# KiCad board CPU.kicad_pcb (continued)
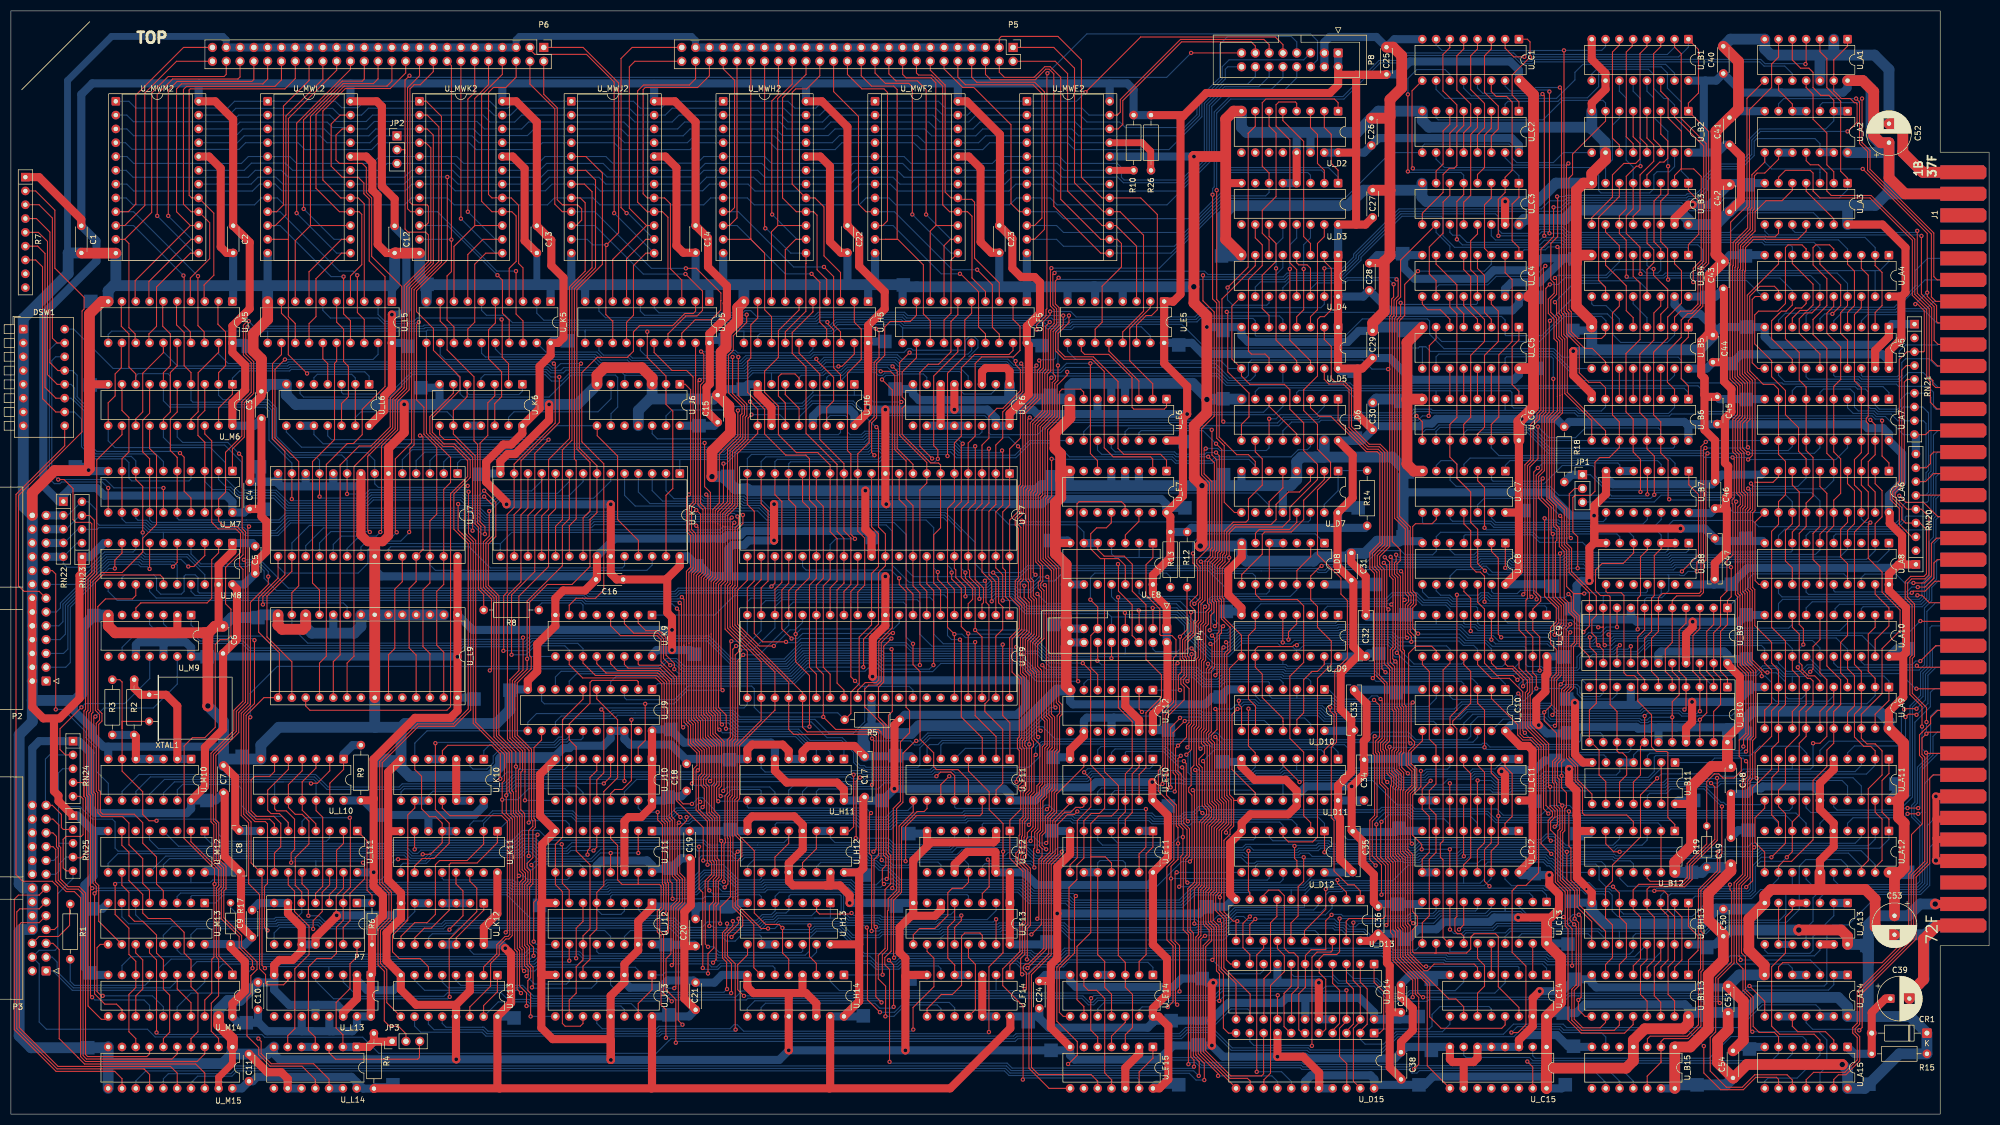
[diagram p0: board, top side]
## Routing (per net, layer and track width the routed paths; a pad name or vN(x,y) marks a point on that pad's centre or on a via; arc(x,y) is an arc through that point) (continued)
/AFL.CARRY: length 158.6
  Top w0.2: U_H6.5 145.03,135.44 144.28,136.19 141.74,136.19 141.23,135.69 141.23,132.13 142.5,130.86 142.5,126.8 ; v1(130.96,78) 130.66,78.3 130.66,97.25 131.43,98.02 131.43,108.04 131.43,108.04 131.43,110.32 133.23,112.12 133.23,121.72 135.64,124.14 135.64,128.08 v1(136.27,128.71) ; U_J10.2 115.43,67.47 116.72,68.76 v1(116.72,75.5)
  Bottom w0.2: U_J9.9 97.65,76.01 98.17,75.5 v1(116.72,75.5) 122.01,75.5 124.51,78 v1(130.96,78) ; 176.15,134.28 176.15,135.81 174.87,137.1 163.07,137.1 162.8,136.83 161.91,136.83 161.31,137.43 153.9,137.43 152.84,136.37 149.95,136.37 149.52,135.94 145.42,135.94 145.03,135.56 U_H6.5 ; v1(136.27,128.71) 136.28,128.7 141.48,128.7 142.5,127.69 142.5,126.8
/AFL.HALFC: length 63.4
  Top w0.2: U_J9.12 97.65,68.85 96.25,67.45 96.25,54.4 96.49,54.16 96.49,53.96 96.5,53.95 96.5,52.75 96.05,52.29 96.05,47.19 94.98,46.13 94.98,45.33 95.59,44.73 95.59,42.68 94.99,42.08 94.99,31.25 95.42,30.82 95.42,27.7 96.09,27.03 96.09,23.53 v1(95.88,23.32)
  Bottom w0.2: v1(95.88,23.32) 96.02,23.18 106.82,23.18 107.81,24.17 U_J13.5
/AFL.LZERO: length 26.7
  Bottom w0.2: 105.27,70.53 105.27,69.25 104.91,68.88 102.75,68.88 102.33,68.47 101.21,68.47 100.23,67.49 90.34,67.49 88.75,65.9 88.75,64.65 87.58,63.48 85.03,63.48 84.48,64.03 84.48,65.3
/AFL.OVER: length 69.6
  Top w0.2: 105.27,78.15 105.27,76.36 101.51,72.61 101.51,50.96 100.19,49.64 U_J11.9 100.19,42.23 101.48,40.94 101.48,16.69 101.98,16.18 104.78,16.18 105.27,16.67 105.27,17.99
/AFL.SIGN: length 65.1
  Top w0.2: U_J9.5 107.81,76.39 111.64,72.57 111.64,61.9 109.1,59.36 109.1,42.09 107.81,40.8 U_J12.5 107.81,34.07 106.56,32.82 106.56,28.5 105.27,27.21 105.27,25.6
  Bottom w0.2: U_J12.5 107.81,37.66 108.72,36.75 112.27,36.75 112.89,37.37 U_J12.3
/AFL.ZERO: length 96.1
  Top w0.2: U_J13.10 102.73,20.99 104.02,22.28 104.02,27.1 105.27,28.36 105.27,32.8 106.56,34.09 106.56,45.9 104.02,48.44 104.02,67.62 102.73,68.9 U_J9.14 102.73,71.79 106.56,75.62 106.56,79.43 106.94,79.81 115.19,79.81 115.45,79.55 115.43,79.54 U_J9.2
  Bottom w0.2: 102.75,70.51 102.75,69.52 102.14,68.92 101.02,68.92 100.04,67.94 88.09,67.94 87.02,66.88 U_K10.1
/ALU.CARRY: length 141.7
  Top w0.2: v1(167.26,82.63) 167.26,95.94 165.99,97.21 U_F7.33 165.99,111.94 164.72,113.21 164.72,120.19 162.64,122.27 162.64,135.92 161.88,136.67 v1(160.05,136.67)
  Bottom w0.2: v1(160.05,136.67) 159.75,136.97 154.08,136.97 153.03,135.92 150.48,135.92 150.11,135.56 U_H6.3 ; v1(167.26,82.63) 160.3,82.63 159.47,83.45 146.48,83.45 143.61,80.57 121.54,80.57 120.63,81.48 101.25,81.48 100.19,80.43 U_J9.8
/ALU.CARRY_IN: length 73.4
  Top w0.2: v1(160.28,135.16) 162.18,133.27 162.18,89.48 159.7,87 159.7,79.89 159.22,79.41 157.21,79.41 155.83,78.02 U_F9.29
  Bottom w0.2: v1(160.28,135.16) 160.28,135.2 161,135.92 163.18,135.92 163.45,136.19 167.9,136.19 168.53,135.56 U_F6.7
/ALU.HALFC: length 104.9
  Top w0.2: U_F7.29 155.83,97.46 154.56,96.19 154.56,80.48 v1(155.33,79.7)
  Bottom w0.2: v1(155.33,79.7) 156.32,78.71 157.36,78.71 ; 157.1,78.71 157.1,72.18 155,70.08 150.49,70.08 147.95,72.63 133.95,72.63 132.75,73.84 114.86,73.84 110.83,73.84 110.25,73.25 101.27,73.25 100.19,72.17 U_J9.13 ; U_F9.33 165.99,78.03 165.3,78.72 157.2,78.72
/ALU.OVER: length 92
  Top w0.2: v1(169.75,82.63) 169.8,82.68 169.8,96.32 168.53,97.59 U_F7.34
  Bottom w0.2: v1(169.75,82.63) 169,81.87 160.41,81.87 159.28,83 146.67,83 143.79,80.12 121.35,80.12 120.44,81.03 104.09,81.03 102.73,79.66 U_J9.7
/ALU.SHIFT_Q0: length 119.2
  Top w0.2: v1(108.64,74.46) 109.1,74 109.1,62.79 107.81,61.5 U_J10.12 ; v1(136.02,131.11) 137.42,129.71 137.42,125.27 133.68,121.54 133.68,111.93 131.89,110.14 131.89,107.81 131.89,107.8 131.89,97.84 131.42,97.37 131.42,89.23 135.51,85.15 U_F9.21
  Bottom w0.2: v1(136.02,131.11) 136.32,130.81 145.6,130.81 147.57,132.78 U_H6.4 ; U_F9.21 135.51,75.36 134.89,74.74 108.93,74.74 v1(108.64,74.46)
/ALU.SHIFT_RAM0_Q7: length 121.4
  Top w0.2: v1(114.18,72.57) 114.18,61.39 112.53,59.74 111.13,59.74 110.35,58.96 U_J10.13 ; v1(146.95,71.3) 146.94,71.3 146.94,80.7 144.4,83.24 v1(144.4,88.32) 144.4,96.19 146.94,98.73 146.94,111.43 145.67,112.7 U_F7.16
  Bottom w0.2: v1(114.18,72.57) 114.5,72.9 132.41,72.9 134.02,71.28 146.93,71.28 v1(146.95,71.3) ; U_F9.9 163.45,90.34 162.39,89.28 145.37,89.28 v1(144.4,88.32)
/ALU.SHIFT_RAM7: length 154.3
  Top w0.2: v1(128.66,61.26) 128.96,61.56 128.96,67.6 127.35,69.21 127.35,72.48 126.57,73.26 126.57,87.41 126.57,87.41 126.57,98.94 127.35,99.72 127.35,111.21 126.44,112.12 126.44,134.78 v1(126.74,135.08) ; v1(162.22,137.58) 163.09,136.71 163.09,122.46 165.99,119.56 U_F7.8
  Bottom w0.2: v1(128.66,61.26) 128.33,61.59 115.14,61.59 112.89,59.34 U_J10.14 ; v1(126.74,135.08) 127.04,135.38 135.54,135.38 136.55,136.39 149.33,136.39 149.76,136.83 152.65,136.83 153.71,137.88 161.92,137.88 v1(162.22,137.58) ; 139.95,136.32 U_H6.7
/ALU.SIGN: length 123.5
  Top w0.2: v1(156.85,82.24) 156.9,82.3 156.9,87.4 159.64,90.14 159.64,99.62 160.91,100.88 160.91,106.76 159.64,108.03 159.64,126.03 v1(159.26,126.42) ; U_H6.12 145.03,129.85 142.5,132.38 142.5,132.51 142.49,132.51 U_H6.6
  Bottom w0.2: v1(159.26,126.42) 159.13,126.42 154.79,130.76 147.53,130.76 145.04,128.27 145.04,126.8 ; v1(156.85,82.24) 146.56,82.24 143.98,79.67 121.16,79.67 120.25,80.57 111.39,80.57 110.35,79.54 U_J9.4
/ALU.ZERO: length 96.2
  Top w0.2: U_F7.11 158.37,108.07 159.64,106.79 159.64,100.76 158.37,99.49 U_F9.11 158.37,90.04 156.09,87.76 156.09,79.17 154.56,77.65 154.56,73.71 R5.2
  Bottom w0.2: U_J9.3 112.89,76.65 113.29,76.25 122.12,76.25 124.63,78.76 136.31,78.76 136.78,78.28 136.78,74.85 137.8,73.84 152.15,73.84 R5.2
/BeginRead: length 146.4
  Top w0.2: v1(186.16,60.12) 186.46,60.42 186.46,67.28 186.11,67.63 186.11,68.69 186.46,69.04 186.46,80.37 185.75,81.08 185.75,87.68 186.91,88.84 186.91,93.96 185.71,95.16 185.71,97.75 186.3,98.34 186.3,108.9 v1(186,109.19)
  Bottom w0.2: v1(186.16,60.12) 184.91,60.12 184.06,60.97 160.75,60.97 159.6,59.83 148.68,59.83 148.21,59.35 U_H11.14 ; v1(186,109.19) 186.22,108.98 238.72,108.98 239.13,109.38 U_D7.14
/BeginWrite: length 133.2
  Top w0.2: v1(158.45,69.13) 158.75,68.83 158.75,60.88 v1(158.45,60.58)
  Bottom w0.2: v1(158.45,60.58) 158.15,60.28 146.6,60.28 145.67,59.35 U_H11.13 ; v1(158.45,69.13) 158.91,68.67 165.54,68.67 166.28,67.93 167.16,67.93 168.89,69.66 186.73,69.66 191.12,74.05 206.98,74.05 207.79,73.24 209.49,73.24 210.04,73.79 218.78,73.79 219.22,73.34 240.53,73.34 241.6,72.28 261.79,72.28 262.26,71.8 U_C10.9
/BUS_FORCE_READY: length 154.3
  Top w0.2: U_E15.5 199.98,14.2 198.7,15.48 198.7,21.27 v1(198.76,21.32)
  Bottom w0.2: v1(198.76,21.32) 199.26,21.82 221.42,21.82 222.68,23.08 241.47,23.08 241.94,23.55 250.84,23.55 253.62,20.76 260.62,20.76 260.92,21.06 286.11,21.06 286.81,21.77 288.42,21.77 288.42,21.76 310.66,21.76 311.21,21.21 317.96,21.21 319.57,22.82 334.43,22.82 335.42,23.81 335.42,25.6
  Bottom w1.5: U_A14.1 335.42,25.6
/BUS_TIMEOUT: length 240.7
  Top w0.2: U_A15.6 325.25,14.26 324.48,15.04 321.69,15.04 320.58,16.15 320.58,21.55 319.16,22.97 319.16,28.94 318.44,29.66 318.44,42 320.01,43.58 320.01,61.24 320.48,61.71 320.48,68.73 321.06,69.31 321.06,81.7 319.52,83.24 319.52,95.95 319.13,96.34 319.13,111.17 319.57,111.61 319.57,114.14 318.91,114.8 318.91,121.7 318.19,122.42 318.19,127.3 319.06,128.17 319.06,134.46 317.68,135.84 317.68,155.61 317.81,155.73 317.81,160.01 320.48,162.69 320.48,166.23 320.81,166.56 320.81,172.64 321.31,173.15 322.71,173.15 325.25,175.7 325.25,176.93
  Bottom w0.2: U_A15.6 325.25,11.1 323.98,9.83 280.04,9.83 279.44,10.43 267.75,10.43 267.32,10.86 U_C15.7
  Bottom w1.5: 327.8,176.93 325.25,176.93
/BusCycleEnd: length 116.8
  Top w0.2: 201.24,102.21 201.23,102.2 201.23,63 203.79,60.45 203.79,56.11 202.54,54.86 200.1,54.86 198.7,53.46 198.7,51.03 198.7,51.03 198.7,47.35 ; 201.24,102.21 200.48,102.21 198.69,104 198.69,106.79 199.77,107.87 201.55,107.87 202.48,108.8 U_E7.12 ; 201.24,102.21 203.78,102.21 205.06,100.94 U_E8.12 ; 198.7,47.35 198.7,33.4 196.16,30.86 196.16,21.06 197.44,19.79 U_E14.9 ; 198.7,47.35 201.37,47.35 202.52,46.2 U_E11.11
/CCR.CARRY: length 174.7
  Top w0.2: 22.98,25.07 22.98,23.29 21.72,22.02 21.72,15.16 22.98,13.9 22.98,12.63 ; 73.03,42.72 73.03,35.71 72.89,35.57 72.89,35.56 70.22,32.9 70.22,29.86 71.45,28.63 75.31,28.63 76.82,27.12 U_K13.6 ; 73.03,42.72 73.03,55.04 74.32,56.34 U_K10.9 ; 73.03,42.72 73.03,46.91 v1(71.25,46.91) ; U_J10.4 110.35,62.09 v1(109.1,60.84) ; U_M14.8 22.98,28.12 21.72,29.39 21.72,34.21 19.18,36.75 v1(19.18,42.34)
  Bottom w0.2: v1(71.25,46.91) 70.79,46.91 69.34,45.46 69.34,44.37 68.07,43.1 37.16,43.1 36.66,42.6 33.15,42.6 ; v1(19.18,42.34) 19.43,42.6 33.15,42.6 ; 33.15,42.6 33.12,42.62 U_M12.15 ; U_K10.10 76.86,58.62 77.65,59.41 91.41,59.41 92.84,60.84 v1(109.1,60.84)
  Bottom w1.5: U_K10.9 U_K10.10
/CCR.OVER: length 152.6
  Top w0.2: U_J11.2 115.43,48.06 v1(115.45,48.05) ; v1(96.17,29.13) 96.17,30.71 95.44,31.43 95.44,41.78 96.05,42.38 96.05,45.56 v1(95.77,45.84) ; 110.35,48.03 U_J11.13 ; U_M12.10 20.42,42.11 21.72,40.82 21.72,36.5 22.74,35.48 24.26,35.48 26.8,32.94 26.8,29.64 28.06,28.38 U_M14.6 28.06,23.04 29.22,21.89 29.22,15.05 28.06,13.9 28.06,12.88
  Bottom w0.2: v1(95.77,45.84) 96.43,46.5 106.91,46.5 108.47,48.06 110.35,48.06 ; 110.35,48.06 110.36,48.06 v1(110.37,48.05) ; 110.35,48.06 115.44,48.06 v1(115.45,48.05) ; U_M14.6 28.06,27.1 29.49,28.52 95.56,28.52 v1(96.17,29.13)
/CCR.SIGN: length 131.8
  Top w0.2: U_M12.7 20.42,49.48 21.72,48.18 21.72,42.98 24.26,40.44 24.26,37.01 25.28,35.99 29.34,35.99 31.88,33.45 31.88,29.64 33.15,28.38 U_M14.4 33.15,23.46 34.42,22.18 34.42,15.16 33.15,13.89 33.15,12.88 ; v1(104.02,28.69) 104.02,34.21 105.27,35.47 105.27,38.85
  Bottom w0.2: U_M14.4 33.15,26.97 34.24,28.06 96.17,28.06 97.09,28.99 103.72,28.99 v1(104.02,28.69)
/CCR.ZERO: length 111.3
  Top w0.2: U_J12.10 102.73,28.25 v1(102.75,28.23) ; 38.23,25.61 38.23,28.5 37.82,28.9 37.82,41.62 38.23,42.03 38.23,45.02 33.12,50.12 U_M12.2 ; 38.23,13.14 38.23,13.9 36.87,15.25 36.87,20.41 38.23,21.76 38.23,25.07
  Bottom w0.2: v1(102.75,28.23) 102.49,27.98 96.73,27.98 96.36,27.61 38.99,27.61 38.23,26.84 U_M14.2
/CondCycle: length 103
  Top w0.2: v1(127.39,46.66) 127.38,46.67 127.38,52.76 122.49,57.65 122.49,80.39 119.64,83.24 119.64,87.29 118.88,88.04 112.16,88.04 110.35,89.85 U_K9.4
  Bottom w0.2: 171.12,44.47 171.12,45.85 170.6,46.37 166.34,46.37 165.3,45.33 162.14,45.33 161.7,45.77 160.15,45.77 159.28,46.64 157.89,46.64 157.29,47.24 135.02,47.24 134.42,46.64 128.93,46.64 128.92,46.64 127.41,46.64 v1(127.39,46.66)
/CondDMARequest: length 117.2
  Top w0.2: v1(121.61,27.42) 121.91,27.72 121.91,38.06 123.05,39.21 123.05,43.11 122.16,44 122.16,54.2 121.58,54.79 121.58,79.9 119.41,82.08 113.56,82.08 112.89,82.74 U_K9.14
  Bottom w0.2: v1(121.61,27.42) 121.84,27.65 128.36,27.65 128.91,27.1 129.9,27.1 130.55,27.75 158.11,27.75 159.19,26.66 163.38,26.66 163.98,27.26 170.66,27.26 171.12,26.8 171.12,25.6
/CondMemFault: length 259.8
  Top w0.2: v1(122.35,13.14) 122.35,21.1 120.54,22.91 120.54,28.59 121.45,29.5 121.45,38.25 122.55,39.35 122.55,42.97 121.71,43.81 121.71,54.02 121.13,54.6 121.13,79.72 119.22,81.62 111.6,81.62 110.35,82.87 U_K9.13
  Bottom w0.2: U_B15.6 293.46,14.19 292.64,15.01 285.56,15.01 284.92,15.65 277.95,15.65 276.55,14.26 255.25,14.26 252.35,11.35 238.9,11.35 238.52,11.74 224.55,11.74 221.27,15.02 216.52,15.02 215.4,13.89 185.31,13.89 184.8,13.39 122.6,13.39 v1(122.35,13.14)
/CondMultiINT: length 73.9
  Top w0.2: U_K9.12 107.81,82.87 109.51,81.17 119.03,81.17 120.67,79.53 120.67,54.41 121.25,53.83 121.25,42.91 121.67,42.5 121.67,39.7 v1(121.75,39.62)
  Bottom w0.2: U_H13.6 138.09,40.02 137.74,40.37 133.94,40.37 133.6,40.04 127.73,40.04 127.31,39.62 v1(121.75,39.62)
/CondRegOrPageOut: length 222.4
  Top w0.2: U_D12.1 241.71,48.21 v1(241.68,48.18) ; v1(123.19,54.66) 122.03,55.82 122.03,80.2 119.64,82.6 115.65,82.6 115.43,82.82 U_K9.15
  Bottom w0.2: v1(241.68,48.18) 241.99,47.88 256.68,47.88 256.91,47.65 258.66,47.65 258.99,47.97 266.16,47.97 266.84,48.66 283.73,48.66 284.64,47.75 284.64,47.58 285.61,46.61 287.17,46.61 287.47,46.91 294.67,46.91 294.96,46.61 297.98,46.61 298.54,46.05 U_B12.11 ; U_D12.1 241.71,53.49 240.56,54.64 216.25,54.64 215.49,53.88 210.15,53.88 209.55,54.48 197.2,54.48 195.72,54.48 195.3,54.9 175.78,54.9 175.4,54.51 162.78,54.51 161.55,53.28 156.84,53.28 155.61,54.51 125.26,54.51 124.65,53.9 124.02,53.9 123.26,54.66 v1(123.19,54.66)
/CondRIR_{0NOR4}: length 133.8
  Top w0.2: v1(121.33,82.61) 120.09,83.85 120.09,87.47 119.07,88.5 114.63,88.5 112.89,90.24 U_K9.3
  Bottom w0.2: U_D10.4 234.09,79.4 233.49,80 223.22,80 222.31,79.1 219.46,79.1 217.7,80.86 188.82,80.86 185.85,83.83 160.44,83.83 159.91,84.36 146.11,84.36 143.23,81.48 123.55,81.48 122.41,82.62 121.34,82.62 v1(121.33,82.61)
/CondRIR_{0}: length 218.8
  Top w0.2: v1(250.83,76.21) 251.84,75.19 251.84,69.37 251.11,68.64 251.11,66.51 251.38,66.25 251.38,54.78 250.5,53.9 250.5,47.53 252.19,45.84 v1(252.19,40.37) ; U_K9.2 115.43,90.36 116.84,88.95 119.26,88.95 120.54,87.66 120.54,84.47 122.09,82.92 122.09,81.88 v1(122.08,81.87)
  Bottom w0.2: 236.59,76.52 232.05,76.52 231.55,77.01 U_D10.5 231.55,79.4 231.4,79.55 223.41,79.55 222.5,78.64 219.27,78.64 217.51,80.4 188.64,80.4 185.66,83.38 160.19,83.38 159.66,83.91 146.3,83.91 143.42,81.03 122.92,81.03 v1(122.08,81.87) ; 236.59,76.52 236.63,76.55 U_D10.3 ; 236.59,76.52 243.42,76.52 244.03,75.91 250.53,75.91 v1(250.83,76.21) ; v1(252.19,40.37) 252.49,40.67 279.42,40.67 280.02,40.07 280.02,38.85
/CPL_Disable: length 175.4
  Top w0.2: v1(216.49,79.65) 216.79,79.95 216.79,84.03 216.5,84.32 216.5,86.88 218.02,88.41 218.02,90.41 218.52,90.9 218.52,94 219.26,94.75 219.26,101.36 v1(218.97,101.66)
  Bottom w0.2: v1(216.49,79.65) 216.19,79.95 198.14,79.95 197.44,79.25 U_E12.6 ; 345.56,105.07 345.56,103.68 343.5,101.61 315.69,101.61 315.14,101.07 306.19,101.07 305.72,100.6 289.94,100.6 289.34,101.2 286.72,101.2 286.12,100.6 275.93,100.6 275.26,101.27 270.76,101.27 270.14,100.65 242.34,100.65 241.8,100.11 240.73,100.11 240.44,100.4 229.87,100.4 229.87,100.4 221.87,100.4 220.61,101.66 v1(218.97,101.66)
/CPL_{0}: length 226
  Top w0.2: 343.02,105.07 343.02,108.63 344.3,109.91 344.3,114.73 343.02,116.01 343.02,118.53 ; U_C14.13 274.94,16.42 274.32,15.8 263.15,15.8 261.06,17.88 261.06,24.09 256.12,29.02 256.12,34.05 255.67,34.51 255.67,46.86 254.76,47.76 254.76,60.04 254.92,60.2 254.92,62.25 254.1,63.06 254.1,66.93 254.46,67.29 254.46,74.12 254.15,74.44 254.15,82.07 253.36,82.86 253.36,92.76 v1(253.47,92.87) 253.17,93.17 253.17,100.88 v1(252.62,101.42)
  Bottom w0.2: v1(252.62,101.42) 252.94,101.11 269.96,101.11 270.57,101.72 275.45,101.72 276.12,101.05 285.93,101.05 286.53,101.65 289.53,101.65 290.12,101.05 305.53,101.05 306,101.52 314.96,101.52 315.5,102.07 341.41,102.07 343.02,103.68 343.02,105.07 ; U_D9.2 241.67,92.87 242.25,93.45 252.89,93.45 v1(253.47,92.87)
/CPL_{1}: length 244.5
  Top w0.2: 337.94,105.07 337.94,107.36 339.22,108.64 339.22,114.73 337.94,116.01 337.94,118.53 ; U_C14.10 267.32,19.75 265.89,21.19 264.6,21.19 256.58,29.21 256.58,34.24 256.12,34.7 256.12,47.04 255.22,47.95 255.22,59.85 255.37,60.01 255.37,62.44 254.56,63.25 254.56,66.74 254.92,67.1 254.92,74.31 254.6,74.62 254.6,82.39 253.81,83.18 253.81,85.46 254.31,85.96 254.31,93.48 v1(254.01,93.78) 254.31,94.08 254.31,98.39 253.68,99.02 253.68,101.58 v1(252.79,102.46) ; U_D9.7 228.97,89.35 228.98,89.33 227.71,88.06 227.71,76.38 229.01,75.08 U_D10.9
  Bottom w0.2: 337.94,105.07 337.94,103.93 336.53,102.52 315.31,102.52 314.77,101.98 305.81,101.98 305.34,101.51 290.31,101.51 289.71,102.11 286.34,102.11 285.74,101.51 276.31,101.51 275.64,102.18 270.38,102.18 269.77,101.56 253.69,101.56 v1(252.79,102.46) ; v1(254.01,93.78) 253.88,93.9 230,93.9 228.97,92.87 U_D9.7
/CPL_{2}: length 219.2
  Top w0.2: U_C14.6 269.86,26.99 269.24,27.61 261.88,27.61 261.15,26.89 261.15,26.86 260.69,26.4 260.03,26.4 257.03,29.4 257.03,34.43 256.58,34.88 256.58,47.23 255.67,48.14 255.67,59.67 255.82,59.82 255.82,62.62 255.01,63.44 255.01,66.55 255.37,66.91 255.37,74.5 255.05,74.81 255.05,83 v1(254.75,83.3) 254.26,83.79 254.26,85.28 254.76,85.77 254.76,98.58 254.13,99.21 254.13,102.29 v1(253.89,102.53) ; U_D10.12 236.63,72.59 237.87,73.84 237.87,79.93 239.4,81.46 240.41,81.46 241.67,82.71 U_D9.15 ; 332.87,105.07 332.87,106.72 334.14,107.99 334.14,114.22 332.87,115.5 332.87,118.53
  Bottom w0.2: U_D9.15 241.67,83 241.79,82.87 252.14,82.87 252.23,82.97 254.42,82.97 v1(254.75,83.3) ; v1(253.89,102.53) 254.4,102.02 269.58,102.02 270.2,102.63 275.83,102.63 276.5,101.96 285.56,101.96 286.16,102.56 289.9,102.56 290.5,101.96 305.16,101.96 305.62,102.43 314.58,102.43 315.12,102.97 332.04,102.97 332.87,103.81 332.87,105.07
/CPL_{3}: length 233.1
  Top w0.2: U_D10.11 234.09,72.29 234.06,72.31 234.06,72.82 230.25,76.63 230.25,80.95 228.97,82.24 U_D9.10 228.97,85.51 229.49,86.03 235.84,86.03 236.1,86.29 v1(236.62,86.29) ; 327.79,118.53 327.79,115.75 329.06,114.48 329.06,108.38 327.79,107.11 327.79,105.07 ; v1(254.89,102.92) 254.89,101.73 254.58,101.42 254.58,99.4 255.22,98.77 255.22,85.08 v1(255.02,84.88) 255.51,84.39 255.51,75 255.82,74.68 255.82,66.73 255.46,66.37 255.46,63.63 256.28,62.81 256.28,59.63 256.12,59.48 256.12,48.33 257.03,47.42 257.03,35.07 257.49,34.62 257.49,29.59 259.9,27.18 v1(260.4,27.18)
  Bottom w0.2: v1(255.02,84.88) 255.02,85.34 253.46,86.9 245.42,86.9 245.23,86.72 237.05,86.72 v1(236.62,86.29) ; v1(260.4,27.18) 260.4,27.17 277.3,27.17 277.48,26.99 U_C14.3 ; 327.79,105.07 327.79,103.68 327.54,103.43 314.93,103.43 314.39,102.89 305.44,102.89 304.97,102.42 290.69,102.42 290.09,103.02 285.97,103.02 285.37,102.42 276.68,102.42 276.01,103.09 270.01,103.09 269.39,102.47 255.34,102.47 v1(254.89,102.92)
/DataRDCycle: length 212.7
  Top w0.2: v1(284.51,168.83) 284.51,168.48 284.61,168.38 284.61,161.47 283.36,160.21 283.36,153.54 283.96,152.94 283.96,151.04 282.88,149.97 282.88,147.34 283.94,146.29 283.94,142.67 284.56,142.05 284.56,132.03 284.57,132.02 284.57,129.38 283.08,127.89 283.08,113.31 284.32,112.06 284.32,108.42 284.92,107.82 284.92,105.42 284.91,105.42 284.91,104.44 285.81,103.54 285.81,94.9 286.64,94.07 286.64,92.37 287.68,91.33 287.68,86.81 287.08,86.21 287.08,78.58 286.23,77.73 286.23,65.55 287.84,63.94 287.84,61.33 289.18,59.99 289.18,55.39 289.53,55.04 297.31,55.04 298.54,53.81 U_B12.4 ; 327.79,197.78 327.79,193.98 329.31,192.46 330.84,192.46 331.6,191.69 331.6,188.9 333.05,187.45 334.52,187.45 335.42,186.56 335.42,184.55
  Bottom w0.2: v1(284.51,168.83) 285.91,168.83 286.12,169.05 308.15,169.05 308.44,169.34 310.11,169.34 311.29,170.52 311.29,172.18 313.94,174.82 317.93,174.82 319.87,176.76 319.87,179.4 321.74,181.28 333.94,181.28 335.42,182.76 335.42,184.08
  Bottom w1.5: 335.42,184.55 U_A2.1
/DataWTClock: length 352.6
  Top w0.2: 343.02,57.18 343.02,55.56 344.3,54.28 344.3,46.66 343.02,45.38 343.02,43.76 ; U_E15.10 199.98,6.07 198.76,7.29 189.11,7.29 187.78,8.62 187.78,25.66 191.42,29.31 191.42,45.92 193.37,47.87 v1(193.37,48.29) ; v1(74.3,48.72) 74.28,48.74 U_K11.7
  Bottom w0.2: U_A12.19 343.02,45.9 340.45,48.48 321.99,48.48 321.39,47.88 314.75,47.88 314.39,47.51 295.34,47.51 295.04,47.81 286.91,47.81 286.61,47.51 285.99,47.51 285.54,47.96 285.54,48.13 284.11,49.56 259.29,49.56 258.29,48.55 257.29,48.55 257.06,48.78 242.79,48.78 242.18,49.39 240.73,49.39 240.27,48.93 236.95,48.93 236.61,48.59 228.63,48.59 228.03,49.19 227.4,49.19 226.8,48.59 193.67,48.59 v1(193.37,48.29) 192.57,47.5 188.74,47.5 187.17,49.06 174.06,49.06 173.2,48.2 162.06,48.2 161.21,49.05 137.2,49.05 137.2,49.05 128.29,49.05 127.39,49.95 103.2,49.95 102.15,48.9 97.75,48.9 96.4,50.25 94.15,50.25 92.92,49.02 74.6,49.02 v1(74.3,48.72)
/DMA.Write: length 294.3
  Top w0.2: U_D8.9 229.01,95.66 230,94.67 236.73,94.67 237.87,93.52 237.87,83.11 235.33,80.57 235.33,69.14 237.87,66.6 237.87,54.91 239.17,53.62 U_D12.2
  Bottom w0.2: U_D8.9 229.01,98.96 228.48,99.49 221.5,99.49 220.54,100.45 187.27,100.45 185.71,98.89 166.03,98.89 164.72,100.2 164.72,106.65 162.51,108.87 134.39,108.87 133.58,108.05 131,108.05 130.45,107.5 107.07,107.5 107.05,107.49 86.53,107.49 85.69,108.33 85.69,108.33 85.23,108.78 51.48,108.78 49.17,106.47 43.13,106.47 42.54,107.06 28.02,107.06 ; 28.02,107.06 28.06,107.01 U_M8.6 ; 28.02,107.06 25.29,107.06 24.43,107.91 16.17,107.91 15.86,107.6 12.3,107.6 9.91,105.21
  Bottom w1.5: P2.21 9.65,105.09
/DMA.~{AddressControl}: length 31.4
  Top w0.2: U_M8.9 20.45,103.25 19.13,101.94 v1(19.13,100.41)
  Bottom w0.2: v1(19.13,100.41) 18.06,100.41 10.94,93.28 10.94,83.07 10.1,82.23 P2.3
/DMA.~{BusReadReady}: length 34.8
  Bottom w0.2: U_M8.18 35.69,99.24 32.39,102.54 24.63,102.54 24.2,102.97 17.42,102.97 11.92,97.47 P2.15
/DMA.~{BusWriteOE}: length 48.5
  Top w0.2: P2.17 7.61,100.01 8.26,99.36 v1(8.26,74.47)
  Bottom w0.2: U_M10.8 17.92,60.87 15.71,63.08 15.71,67.36 13.78,69.29 13.78,70.34 9.66,74.47 v1(8.26,74.47)
/DMA.~{Enable}: length 37.8
  Top w0.2: v1(32.64,100.76) 33.66,100.76 35.69,102.79 U_M8.3
  Bottom w0.2: v1(32.64,100.76) 31.32,102.09 24.45,102.09 24.01,102.52 17.61,102.52 9.12,94.03 9.12,93.14 8.37,92.39 P2.11
/DMA.~{End}: length 35.1
  Bottom w0.2: P2.9 8.83,89.85 9.58,90.6 9.58,93.85 17.8,102.07 23.82,102.07 24.26,101.63 29.99,101.63 30.6,101.02 30.6,97.46
/DMA.~{INTRequest}: length 104.8
  Top w0.2: 17.91,17.45 16.64,17.45 14.19,19.9 14.19,58.39 13.89,58.69 13.89,74.01 14.19,74.3 14.19,98.41 15.35,99.57 15.35,109.29 14.5,110.14 12.81,110.14
  Bottom w0.2: RN23.4 12.68,110.14 10.18,107.64
  Bottom w1.5: P2.23 9.65,107.63
/DMA.~{Request}: length 246.4
  Top w0.2: v1(126.11,108.26) 126.44,107.94 126.44,100.09 125.66,99.32 125.66,87.04 125.67,87.04 125.67,72.88 126.44,72.11 126.44,68.84 128.05,67.23 128.05,62.36 127.44,61.75 127.44,60.7 128.04,60.1 128.04,55.28 129.05,54.27 129.05,46.73 129.4,46.39 129.4,43.97 128.27,42.84 128.27,41.41 v1(128.52,41.17)
  Bottom w0.2: U_F13.4 176.2,40.14 175.96,40.38 154.83,40.38 153.92,41.29 139.19,41.29 138.74,40.83 133.76,40.83 133.41,40.49 129.19,40.49 v1(128.52,41.17) ; RN22.2 10.46,110.18 12.96,112.68 RN23.5 14.25,112.68 15.75,111.18 15.75,108.87 16.26,108.36 24.62,108.36 25.47,107.51 42.73,107.51 43.32,106.92 48.98,106.92 51.29,109.24 85.42,109.24 85.88,108.78 85.88,108.78 86.72,107.94 106.86,107.94 107.39,108.47 125.91,108.47 v1(126.11,108.26)
  Bottom w1.5: 9.65,110.17 P2.25
/DMA.~{StartCycle}: length 25.1
  Bottom w0.2: U_M8.8 22.98,103.93 22.48,103.43 17.23,103.43 14.44,100.64 10.29,100.64 9.66,101.27 RN22.5 12.16,105.06 12.96,105.06 13.08,105.19
  Bottom w1.5: P2.19 9.65,102.55
/DMAAddressControl: length 511.6
  Top w0.2: v1(258.19,8.31) 259.04,9.16 259.04,19.68 259.04,19.69 259.04,20.31 259.04,21.48 258.41,22.11 258.41,24.81 254.76,28.46 254.76,33.49 254.31,33.94 254.31,46.29 253.4,47.2 253.4,59.9 252.29,61.01 252.29,66.63 252.02,66.89 252.02,68.27 252.77,69.01 252.77,79.13 251.35,80.55 251.35,99.7 250.51,100.55 250.51,103.17 252.35,105.01 252.35,121.58 251.58,122.35 249.58,122.35 244.21,127.72 U_D6.1 ; v1(125.32,57.08) 123.7,57.08 122.94,57.84 122.94,80.49 122.94,80.49 122.94,92.63 v1(122.56,93.01) ; v1(161.67,9.62) 161.67,26.63 160.8,27.5 160.8,28.8 161.96,29.96 161.96,39.54 163.43,41 163.43,53 166.04,55.61 166.04,57.5
  Bottom w0.2: U_M8.11 17.91,96.19 19.58,94.52 105.06,94.52 105.67,93.9 121.67,93.9 v1(122.56,93.01) ; U_F11.9 166.04,56.87 165.05,55.88 162.22,55.88 160.99,54.65 157.41,54.65 156.18,55.88 129.6,55.88 127.26,58.21 126.49,58.21 125.36,57.08 v1(125.32,57.08) ; U_B15.10 296,6.06 293.59,8.47 258.36,8.47 v1(258.19,8.31) 257.81,8.69 237.74,8.69 237.43,9 219.13,9 218.19,9.94 213.52,9.94 212.05,8.47 184.23,8.47 183.32,9.38 161.92,9.38 v1(161.67,9.62)
/DMAEnable: length 232.2
  Top w0.2: v1(125.32,60.84) 125.62,61.14 125.62,63.55 126.23,64.17 126.23,66.47 124.62,68.08 124.62,71.36 123.85,72.13 123.85,86.28 123.85,86.29 123.85,94.74 v1(123.46,95.13) ; U_F11.12 173.66,62.25 172.97,62.93 171.06,62.93 v1(170.31,62.18) ; v1(208.85,56.14) 208.85,49.13 207.58,47.87 207.58,47.36 207.6,47.34 U_E11.13
  Bottom w0.2: v1(125.32,60.84) 125.65,60.51 129.42,60.51 130.1,61.19 156.65,61.19 157.46,62.01 170.14,62.01 v1(170.31,62.18) ; U_F11.12 173.66,56.52 173.92,56.26 189.69,56.26 190.29,56.86 190.97,56.86 192.03,55.8 195.27,55.8 195.91,56.44 196.53,56.44 196.93,56.04 208.75,56.04 v1(208.85,56.14) ; v1(123.46,95.13) 123.17,94.84 122.75,94.84 122.73,94.81 106.05,94.81 105.43,95.43 33.91,95.43 33.15,96.19 U_M8.17
/DMAINTRequest: length 207.8
  Top w0.2: U_E10.9 197.44,56.69 197.19,56.44 195.91,56.44 195.01,55.55 193.9,55.55 192.16,53.81 192.16,47.94 190.52,46.3 190.52,30.32 187.06,26.87 v1(187.05,26.87)
  Bottom w0.2: v1(187.05,26.87) 185.85,26.87 185,27.72 163.8,27.72 163.2,27.12 159.38,27.12 158.3,28.2 129.98,28.2 129.55,28.63 105.28,28.63 104.46,29.44 97.05,29.44 96.55,29.95 95.57,29.95 94.59,28.97 22.07,28.97 20.45,27.35 U_M14.9
/DMARead: length 356.9
  Top w0.2: v1(217.5,103.17) 217.5,101.39 218.36,100.54 218.36,95.56 217,94.2 217,93.6 217.92,92.68 217.92,90.95 217.57,90.6 217.57,88.59 216.04,87.06 216.04,84.13 216.33,83.84 216.33,80.56 215.73,79.96 215.73,79.34 216.79,78.28 216.79,72.05 216.32,71.59 216.32,69.37 v1(214.76,67.8) 214.3,67.35 214.3,62.99 214.9,62.39 214.9,53.2 215.65,52.45 215.65,47.82 215.27,47.44 215.27,42.14 v1(214.97,41.84) ; v1(123.07,94.08) 123.39,93.76 123.39,80.68 123.4,80.68 123.4,71.47 v1(123.7,71.17)